# Altium PCB LimeSDR_Mini_1v0_Rounded.PcbDoc (part 4 of 5) (continued)
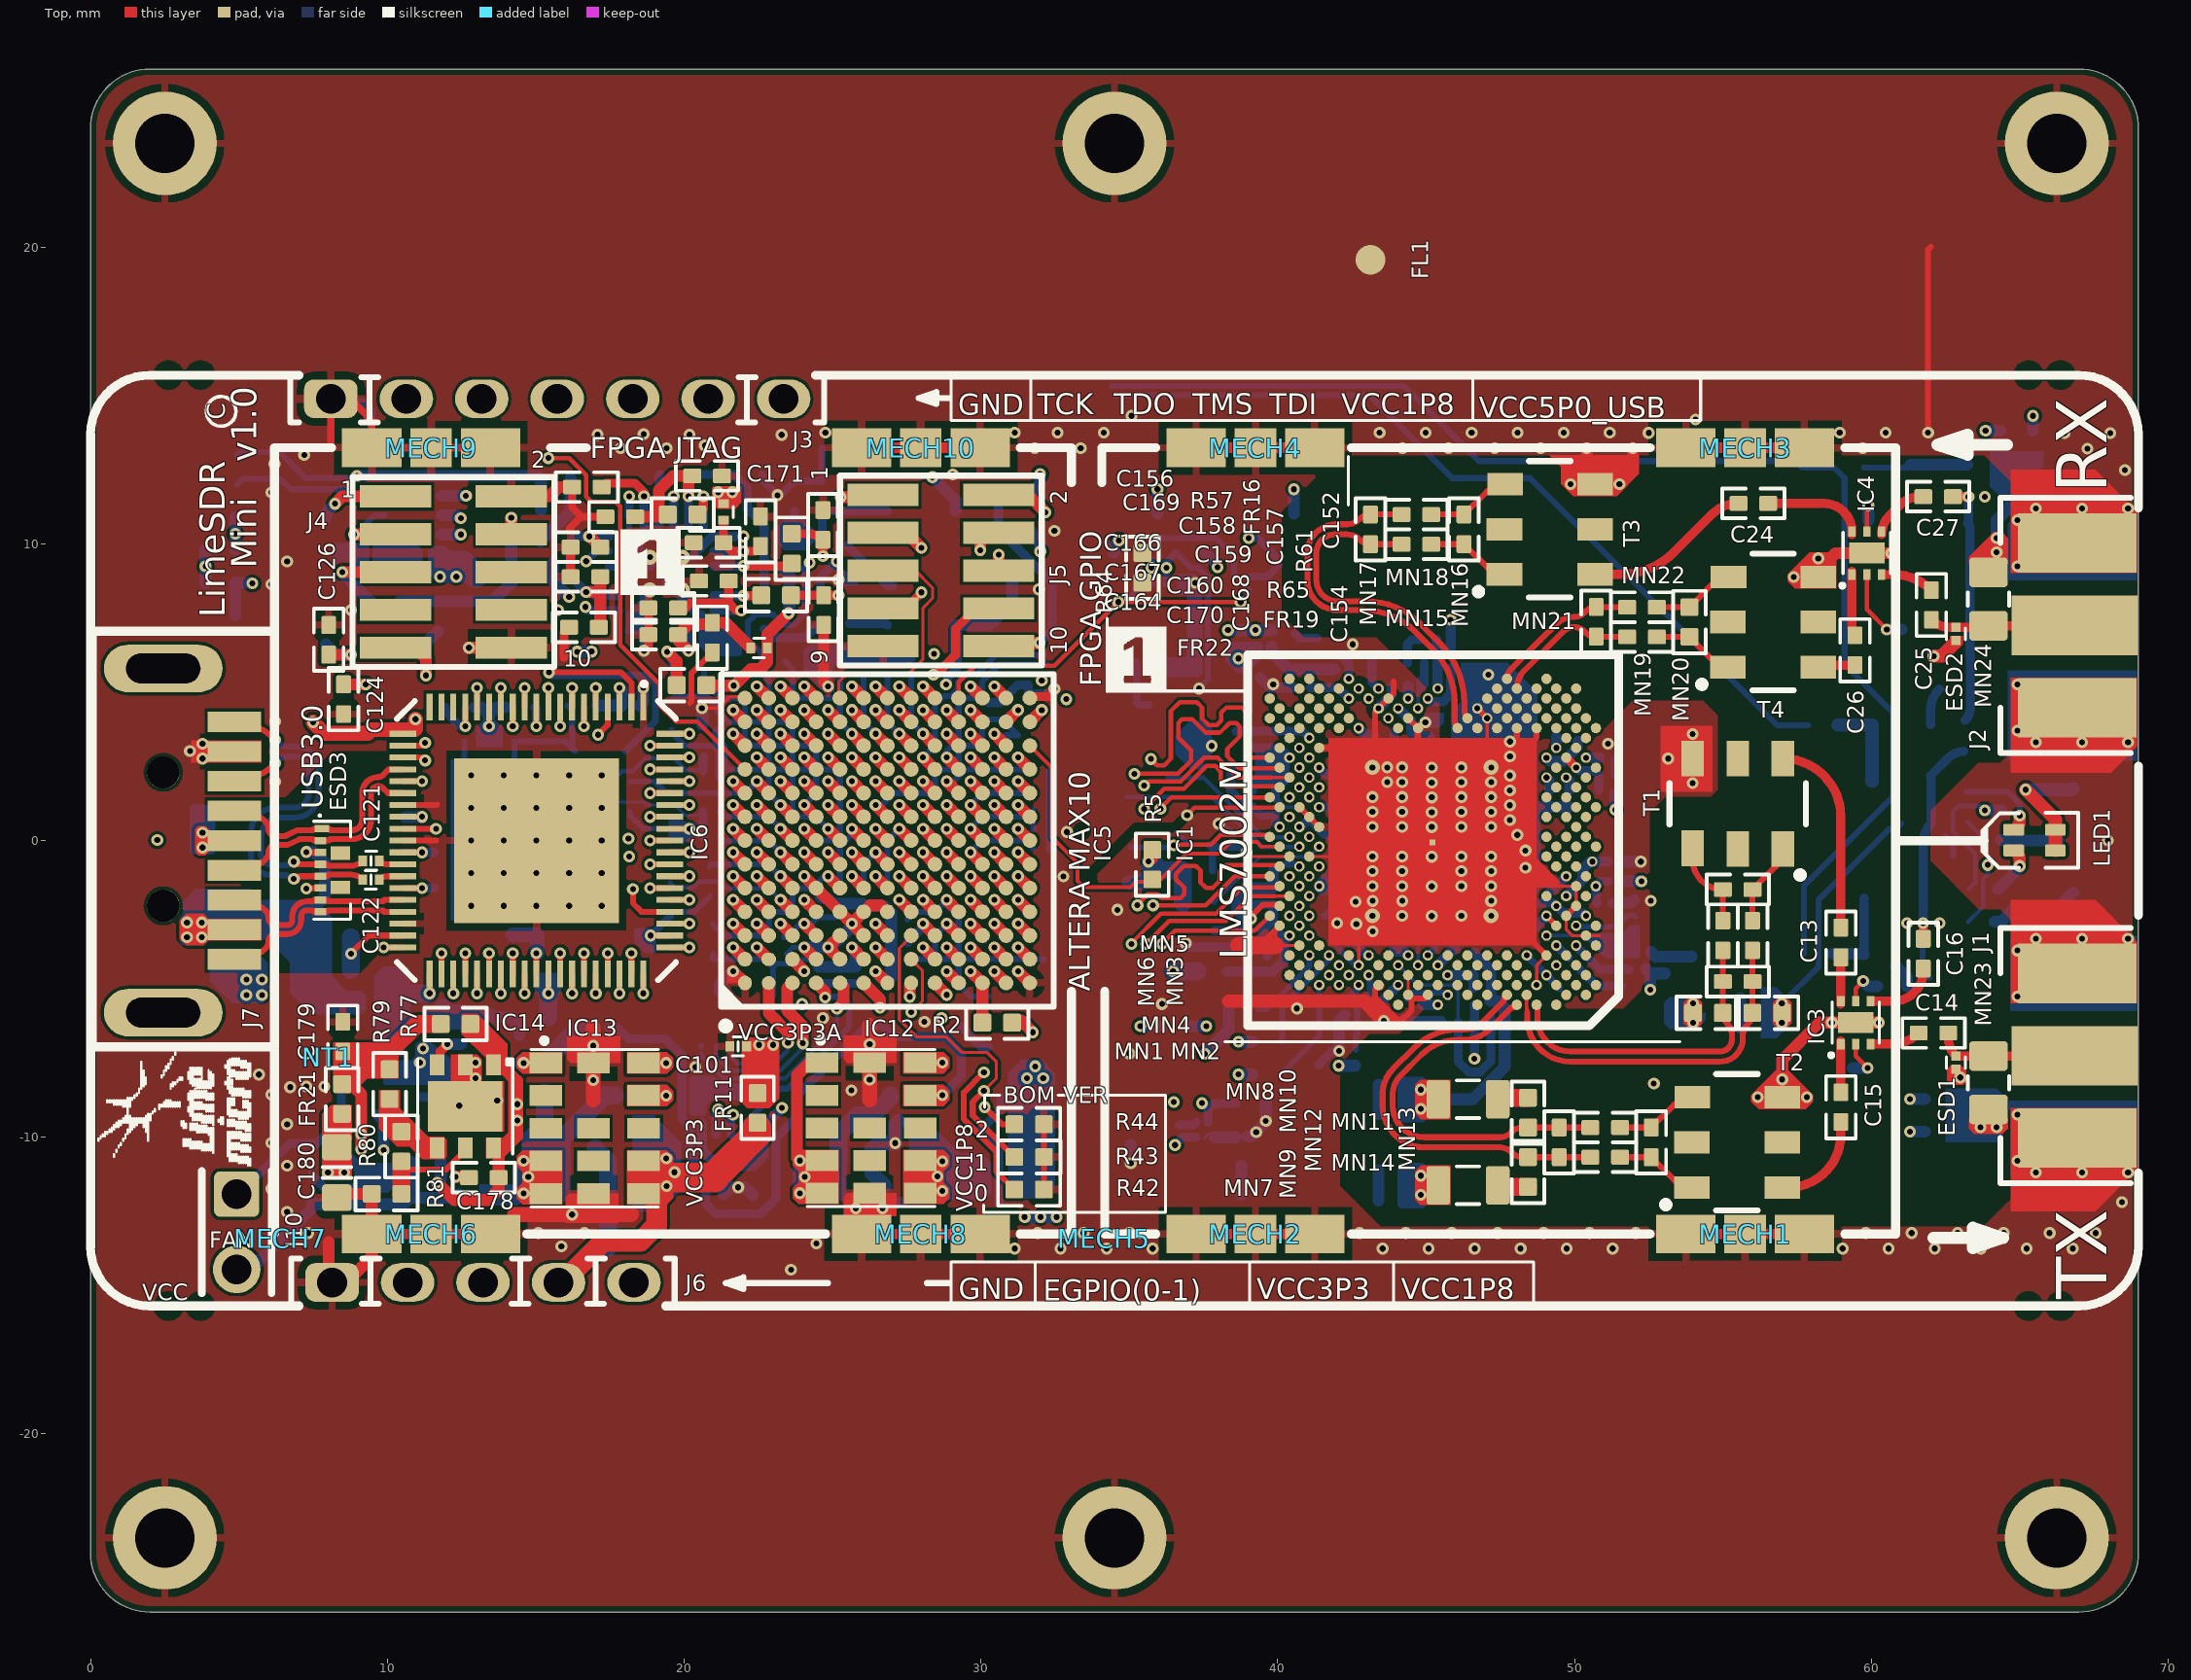
[diagram p0: Top view]
## Nets (pads, with @x,y where several pads share a name; then routed paths per layer and width w, separated by ;. In a path a pad name is that pad's centre, name@x,y a point inside that pad or via, vN(x,y) a via of type N, cw(c..) or ccw(c..) an arc to the next point about the centre after c; other vN are vias at no path point) (continued)
TXPLL_CLK: C152.2 IC1.E5 R61.1 | length 35.1
  Top w0.309: R61.1@23.625,10.34 24.192,10.34 cw(c24.192,9.657) C152.2@24.675,10.14 v1(24.675,9.59)
  L5 w0.1: v1(24.675,9.59) 24.675,8.29 ccw(c25.2,8.29) 25.2,7.765 25.789,7.765 cw(c25.789,6.93) 26.379,7.521 ccw(c27.238,8.379) 26.501,7.414 ccw(c27.238,8.379) 27.238,7.165 32.451,7.165 cw(c32.451,6.141) 33.175,6.865 33.231,6.809 ccw(c35.027,8.605) 35.027,6.065 36.148,6.065 cw(c36.148,3.525) 37.944,5.321 38.531,4.734 ccw(c40.327,6.53) 40.327,3.99 41.15,3.99 cw(c41.15,2.715) 42.425,2.715 42.425,0.84 ccw(c43.3,0.84) 43.3,-0.035 47.325,-0.035 cw(c47.325,-0.685) 47.975,-0.685 47.975,-1.96 ccw(c49.974,-1.96) 48.56,-3.373 v3(49.389,-4.202)
USB_D_N: ESD3.2 IC6.25 J7.2 | length 7.6
  Top w0.2: J7.2@4.85,-1 5.022,-1 ccw(c5.022,0.238) 5.897,-0.638 ccw(c5.65,-0.39) 6,-0.39 cw(c6.24,-0.39) 6.24,-0.15 6.625,-0.15 7.05,0.05 7.48,0.05 7.53,0 ESD3.2@7.742,0 ; ESD3.2@7.818,0 8.03,0 8.08,0.05 8.805,0.05 ccw(c8.805,0.695) 9.45,0.695 9.45,1.59 cw(c9.695,1.59) 9.695,1.835 ; 9.7,1.835 cw(c9.7,1.618) 9.853,1.772 10.025,1.6 IC6.25@10.525,1.6
USB_D_P: ESD3.1 IC6.23 J7.3 | length 8.2
  Top w0.2: J7.3@4.65,0.965 4.685,1 J7.3@4.85,1 J7.3@5.022,1 ; J7.3@5.39,1 J7.3@5.022,1 ; ESD3.1@7.742,0.4 7.53,0.4 7.48,0.35 6.975,0.35 6.55,0.15 6.24,0.15 cw(c6.24,0.39) 6,0.39 ccw(c5.65,0.39) 5.897,0.638 ccw(c5.022,-0.238) J7.3@5.022,1 ; ESD3.1@7.818,0.4 8.03,0.4 8.08,0.35 8.805,0.35 ccw(c8.805,0.695) 9.15,0.695 9.15,1.59 cw(c9.7,1.59) 9.7,2.14 ccw(c9.7,2.357) 9.853,2.203 10.05,2.4 IC6.23@10.525,2.4
USB_GND: C125.2 ESD3.6 FR13.1 NT1.1 | length 0.5
  Top w0.2: v1(7.275,-1.615) cw(c7.311,-1.651) 7.311,-1.6 ESD3.6@7.742,-1.6
  other v1: 2.25,0.015
USB_SSRX_N: ESD3.7 IC6.34 J7.8 | length 7.2
  Top w0.2: J7.8@5.39,-2 J7.8@4.85,-2 5.022,-2 cw(c5.022,-3.238) 5.897,-2.362 cw(c5.65,-2.61) 6,-2.61 ccw(c6.24,-2.61) 6.24,-2.85 6.625,-2.85 ccw(c6.625,-2.675) 6.8,-2.675 6.8,-2.535 cw(c7.285,-2.535) 7.285,-2.05 7.48,-2.05 7.53,-2 ESD3.7@7.742,-2 7.955,-2 8.005,-2.05 9.85,-2.05 9.9,-2 IC6.34@10.525,-2
USB_SSRX_P: ESD3.8 IC6.35 J7.9 | length 6.7
  Top w0.2: J7.9@4.2,-4 J7.9@4.372,-4 ; J7.9@5.022,-4 ccw(c5.022,-2.762) 5.897,-3.638 ccw(c5.65,-3.39) 6,-3.39 cw(c6.24,-3.39) 6.24,-3.15 6.625,-3.15 ccw(c6.625,-2.675) 7.1,-2.675 7.1,-2.535 cw(c7.285,-2.535) 7.285,-2.35 7.48,-2.35 7.53,-2.4 ESD3.8@7.742,-2.4 7.955,-2.4 8.005,-2.35 9.85,-2.35 9.9,-2.4 IC6.35@10.525,-2.4
USB_SSTX_N: C121.1 ESD3.4 J7.5 | length 11.5
  Top w0.2: J7.5@4.85,4 cw(c4.85,2.153) 6.156,3.459 v1(6.225,3.39) ; v1(6.85,-0.71) ccw(c7.067,-0.493) 7.067,-0.8 ESD3.4@7.742,-0.8 7.955,-0.8 8.005,-0.85 8.772,-0.85 ccw(c8.772,-0.287) C121.1@9.17,-0.685 C121.1@9.153,-0.685
  Bottom w0.2: v1(6.225,3.39) 6.335,3.28 ccw(c6.6,3.544) 6.6,3.17 6.935,3.17 cw(c6.935,2.415) 7.69,2.415 7.69,1.59 cw(c6.875,1.59) 6.875,0.775 6.385,0.775 ccw(c6.385,0.14) 5.75,0.14 5.75,-0.48 ccw(c6.1,-0.48) 6.1,-0.83 6.56,-0.83 ccw(c6.56,-0.42) v1(6.85,-0.71)
USB_SSTX_P: C122.1 ESD3.5 J7.6 | length 11.5
  Top w0.2: J7.6@4.85,2 ccw(c4.85,3.847) 6.156,2.541 v1(6.225,2.61) ; v1(6.85,-1.29) cw(c7.067,-1.507) 7.067,-1.2 ESD3.5@7.742,-1.2 7.955,-1.2 8.005,-1.15 8.772,-1.15 cw(c8.772,-1.713) C122.1@9.17,-1.315 C122.1@9.153,-1.315
  Bottom w0.2: v1(6.225,2.61) 6.335,2.72 cw(c6.6,2.456) 6.6,2.83 6.935,2.83 cw(c6.935,2.415) 7.35,2.415 7.35,1.59 cw(c6.875,1.59) 6.875,1.115 6.244,1.115 ccw(c6.244,0.281) 5.41,0.281 5.41,-0.48 ccw(c6.1,-0.48) 6.1,-1.17 6.56,-1.17 cw(c6.56,-1.58) v1(6.85,-1.29)
USB_SSTXI_N: C121.2 IC6.31 | length 0.8
  Top w0.2: C121.2@9.73,-0.685 ccw(c10.008,-0.407) 10.008,-0.8 IC6.31@10.525,-0.8
USB_SSTXI_P: C122.2 IC6.32 | length 0.8
  Top w0.2: C122.2@9.73,-1.315 cw(c10.008,-1.593) 10.008,-1.2 IC6.32@10.525,-1.2
USB_VBUS: C123.1 ESD3.3 FR12.1 J7.1 R50.2 | length 3.3
  Top w0.2: v1(7.275,-0.385) ccw(c7.311,-0.349) 7.311,-0.4 ESD3.3@7.742,-0.4
  Bottom w0.4: 7.238,-2.548 7.9,-1.885 7.9,-0.76 7.525,-0.385 v1(7.275,-0.385)
  other v1: 3.25,-3.26 3.75,-3.26 3.25,-2.76 3.75,-2.76
VCC1P8: C108.2 C109.1 C110.1 C111.1 C173.2 C174.1 C181.2 FR16.1 FR20.1 IC5.F2 IC5.G3 IC11.8 IC12.7 IC12.8 J3.6 J4.4 J6.5 R34.2 R36.2 R37.1 R58.2 | length 114.3
  Top w0.4: J4.4@14.175,10.325 v1(14.175,10.88) ; v1(25.65,-3.6) IC5.F2@26.05,-4 ; v1(26.45,-2.8) IC5.G3@26.85,-3.2
  L4 w0.4: J6.5@18.311,-15.01 24.2,-15.01 25.725,-13.485 27.101,-13.485 v1@28.701,-11.885
  L5 w0.25: v1@25.84,-3.6 26.45,-2.99 v1(26.45,-2.8)
  L5 w0.4: v1(21.15,11.74) v1(21.625,11.74) 23.05,13.165 29.275,13.165 30.675,11.765 32.875,11.765 33.725,10.915 36.275,10.915 v1(37.975,9.215) ; v1@25.775,-3.725 v1(25.65,-3.6) v1@25.84,-3.6
  L5 w0.5: v1(14.175,10.88) 13.06,9.765 11.3,9.765 10.525,8.99 10.525,6.44 9.875,5.79 9.875,-2.785 9.325,-3.335 9.325,-3.828 9.875,-4.378 9.875,-5.563 10.5,-6.188 10.5,-7.705 10.83,-8.035 11.647,-8.035 12.847,-6.835 15,-6.835 15.634,-7.469 17.672,-7.469 18.481,-6.66 20.95,-6.66 23.26,-8.97 26.89,-8.97 27.225,-8.635
  L5 w0.6: v1@25.675,-3.635 25.825,-3.785 25.825,-6.335 25.65,-6.51 25.65,-7.185 25.925,-7.46 26.75,-7.46 27.225,-7.935 27.225,-8.635
  L5 w1.2: 27.425,-8.81 28.539,-9.924 v1@28.539,-11.51
  L6 w0.5: v1(14.175,10.88) 14.665,10.88 16.46,12.675 20.94,12.675 ; J3.6@20.811,14.89 21.25,14.451 21.25,12.985 20.94,12.675 ; 21.4,11.815 21.3,11.915 21.3,12.315 21,12.615 20.94,12.675
  Bottom w0.17: 22.995,-4.255 23.1,-4.15 23.702,-4.15 23.837,-4.015 24.285,-4.015 C110.1@24.525,-4.255
  Bottom w0.2: R37.1@20.975,-3.835 20.975,-4 22.74,-4 22.995,-4.255 C108.2@22.995,-5.235
  Bottom w0.35: IC11.8@20.6,-9.535 20.6,-10.435 21.125,-10.96 C174.1@22.325,-10.96 22.675,-10.61 22.675,-9.635 v1(23.3,-9.01)
  Bottom w0.4: R34.2@10.425,8.065 13.55,8.065 14.175,8.69 v1(14.175,10.88) ; C110.1@24.544,-4.255 C109.1@25.2,-4.255 25.775,-4.255 25.775,-3.725 v1(25.65,-3.6) ; R58.2@37.575,9.69 v1@37.9,9.365
  other v1: 28.701,-11.81 28.539,-11.32 28.701,-10.81
VCC1P8_LMS: C3.1 C4.2 C5.1 C6.2 C7.1 C8.1 C9.2 C10.2 C175.2 FR1.2 FR2.1 FR3.1 FR4.2 FR5.2 FR6.2 FR7.2 FR8.2 FR20.2 MN1.2 MN2.2 MN7.2 MN8.2 R19.2 R26.2 R32.2 R33.1 | length 21.2
  Bottom w0.2: v1(56.985,-5.485) 58.225,-4.245 58.225,-1.985 60.588,0.378 60.812,0.378 R19.2@61.012,0.577
  Bottom w0.35: FR4.2@45.826,6.391 v1(45.826,7.441) ; FR6.2@46.614,-3.785 47.185,-4.356 FR7.2@47.185,-4.51 FR8.2@47.185,-5.405
  Bottom w0.4: v1(38.325,7.091) R33.1@39.801,7.091 ; v1(42.056,-7.589) R26.2@42.606,-7.589 ; 45.142,-8.718 46.567,-8.718 47.65,-7.635 47.65,-5.635 47.42,-5.405 FR8.2@47.175,-5.405 ; v1(51.38,1.04) FR3.1@51.38,1.59 ; FR2.1@51.704,-1.376 v1(52.254,-1.376) ; FR1.2@52.411,-4.334 FR1.2@52.555,-4.478 ; v1(52.555,-5.028) FR1.2@52.555,-4.478 ; R32.2@53.046,-4.478 FR1.2@52.555,-4.478 ; C4.2@53.325,-5.81 53.875,-5.81
  other v1: 44.817,-11.943 44.817,-11.293 44.817,-9.043 44.817,-8.393 31.55,-8.01 32.1,-8.01 31.825,-7.61 54,-6.135 56.985,-6.135 54,-5.485 39.251,7.091
VCC3P3: C102.2 C103.1 C104.1 C105.1 C106.1 C107.1 C112.2 C113.1 C114.1 C115.1 C116.1 C117.1 C118.1 C119.1 C120.1 C128.2 C129.2 C130.1 C131.2 C132.1 C133.2 C134.1 C135.2 C136.1 C150.1 C162.1 C178.2 C182.2 FR11.1 FR22.1 IC5.C6 IC5.C7 IC5.C8 IC5.F7 IC5.F11 IC5.G6 IC5.G8 IC5.G11 IC5.H7 IC5.H11 IC5.J11 IC6.14 IC6.20 IC6.24 IC6.28 IC6.38 IC6.49 IC6.59 IC6.68 IC8.8 IC10.A1 IC13.7 IC13.8 IC14.1 IC14.6 J6.4 LED1.1 LED1.2 LED2.A R14.1 R20.1 R35.1 R40.1 R45.1 R46.1 R47.1 R48.1 R49.1 R53.2 R54.2 R55.2 R64.1 R66.1 R71.1 R77.1 | length 150.4
  Top w0.2: v1(9.875,-3.6) IC6.38@10.525,-3.6 ; IC6.28@10.525,0.4 v1(11.64,0.4) ; IC6.24@10.525,2 v1(11.175,2) ; v1(13.425,3.85) IC6.14@13.425,4.5 ; v1(15.425,-5.15) IC6.49@15.425,-4.5 ; v1(18.875,-3.2) IC6.59@19.525,-3.2 ; IC6.68@19.525,0.4 v1(20.175,0.4)
  Top w0.4: v1(11.675,-11.535) 12.25,-12.11 13.4,-12.11 13.75,-11.76 13.75,-10.21 13.975,-10.21 14.375,-9.81 v1(14.375,-9.435) v1(14.375,-8.885) 14.375,-8.101 ; v1(19.425,6.365) 19.75,6.04 FR22.1@19.75,5.24 ; v1(23.25,-0.4) IC5.C6@23.65,-0.8 ; v1(23.25,0.4) IC5.C7@23.65,0 ; v1(23.25,1.2) IC5.C8@23.65,0.8 ; v1(25.65,0.4) IC5.F7@26.05,0 ; v1(25.65,3.6) IC5.F11@26.05,3.2 ; v1(26.45,-0.4) IC5.G6@26.85,-0.8 ; v1(26.45,1.2) IC5.G8@26.85,0.8 ; v1(26.45,3.6) IC5.G11@26.85,3.2 ; v1(27.25,0.4) IC5.H7@27.65,0 ; v1(27.25,3.6) IC5.H11@27.65,3.2 ; v1(28.05,3.6) IC5.J11@28.45,3.2
  Top w0.45: v1(65.2,1.715) 66.2,0.715 LED1.1@66.2,-0.335
  Top w0.5: v1(7.5,3.99) 7.875,3.615 9.35,3.615 9.475,3.74 10.937,3.74 10.95,3.753 v1(10.95,4.09)
  Top w0.7: J6.4@15.768,-14.89 15.894,-14.89 17.274,-13.51 18.525,-13.51 19.075,-12.96 IC13.7@19.075,-11.86 ; 21.025,-11.21 21.175,-11.36
  Top w1: 19.228,-11.355 21.025,-11.355 ; 21.18,-11.155 22.45,-9.885 FR11.1@22.45,-9.71
  L4 w0.45: v1(34.65,10.115) 34.725,10.19 v1(39.025,10.19) 40.025,11.19 57.975,11.19 58.925,12.14 61.4,12.14 61.975,11.565 ; v1(61.3,-8.71) 61.3,-5.435 65.525,-1.21 65.525,1.39 v1(65.2,1.715) 65.2,1.74 61.475,5.465 61.475,9.84 61.975,10.34 61.975,11.565 ; v1(63.85,13.815) 63.85,13.44 61.975,11.565
  L4 w0.5: v1@3.9,9.24 7.5,5.64 v1(7.5,3.99)
  Bottom w0.19: R45.1@18.175,0.965 18.175,0.84 18.61,0.405 20.17,0.405 v1(20.175,0.4) ; C116.1@21.205,0.115 21.325,-0.005 22.855,-0.005 v1(23.25,-0.4)
  Bottom w0.2: R48.1@19.525,-2.51 19.525,-2.4 20.341,-2.4 20.875,-1.866 R49.1@20.875,-1.86 ; R47.1@19.575,3.74 19.575,3.634 20.009,3.2 21.087,3.2 21.15,3.263 ; C120.1@21.205,0.965 21.37,0.8 22.85,0.8 v1(23.25,0.4) ; 21.28,2.465 21.345,2.4 22.616,2.4 22.85,2.166 22.85,1.6 v1(23.25,1.2) ; C102.2@23.4,6.04 23.65,5.79 23.65,5.034 23.884,4.8 25.231,4.8 25.25,4.781 ; C113.1@25.25,-1.605 25.25,-0.21 25.65,0.19 v1(25.65,0.4) ; C117.1@25.27,5.581 25.25,5.561 25.25,4.781 ; v1(25.65,3.6) 25.25,4 25.25,4.781 ; C115.1@26.025,-1.605 26.05,-1.58 26.05,-0.8 v1(26.45,-0.4) ; C118.1@26.04,5.581 26.05,5.571 26.05,4 v1(26.45,3.6) ; v1(26.45,1.2) 26.684,1.2 27.084,1.6 28.216,1.6 28.45,1.834 28.45,2.166 28.684,2.4 29.016,2.4 29.25,2.634 29.25,2.966 29.484,3.2 29.816,3.2 30.05,3.434 30.05,3.86 C103.1@30.275,4.085 30.715,4.085 C112.2@31.25,3.55 30.85,3.55 C112.2@30.85,3.2 ; C119.1@26.75,-1.63 26.85,-1.53 26.85,0 v1(27.25,0.4) ; C114.1@26.86,5.581 26.85,5.571 26.85,4 v1(27.25,3.6) ; C107.1@27.65,5.585 27.65,4 v1(28.05,3.6)
  Bottom w0.25: v1(18.875,-3.2) 19.525,-2.55 R48.1@19.525,-2.51 ; IC8.8@35.25,6.015 IC8.8@35.25,5.84 35.25,4.65 35.325,4.575 C162.1@35.65,4.575 ; IC10.A1@39.025,8.89 39.65,8.89 C150.1@40.05,9.29 ; v1(39.025,10.19) 39.325,10.19 39.95,9.565 C150.1@39.95,9.365
  Bottom w0.4: R55.2@3.875,8.69 v1(3.875,9.24) R35.1@3.875,9.79 ; v1(11.675,-11.535) 11.8,-11.41 R71.1@11.8,-10.835 ; R54.2@12.95,4.49 13.175,4.49 13.425,4.24 ; v1(13.425,3.85) 13.425,4.24 ; R53.2@13.975,4.49 13.675,4.49 13.425,4.24 ; v1(19.425,6.365) 19.675,6.115 R46.1@19.675,5.79 ; C106.1@21.15,3.65 21.15,3.263 21.28,3.133 21.28,2.465 ; R40.1@31.6,10.49 32,10.09 v1(32,9.74) ; R66.1@34.475,9.69 34.475,9.94 v1(34.65,10.115) ; v1(61.3,-8.71) R14.1@61.8,-8.71 ; v1(63.85,13.815) R20.1@64.35,13.815
  Bottom w0.45: v1(65.2,1.715) 66.765,1.715 66.8,1.75
  Bottom w0.6: C128.2@15.425,-5.96 v1(15.425,-5.15)
  other v1: 19.415,-11.645 19.678,-11.18 19.4,-10.71
VCC3P3_CLK: C184.2 FR17.1 FR19.1 FR22.2 R60.2 | length 19.4
  Top w0.4: FR22.2@20.75,5.24 20.77,5.22 v1(21.67,5.22) 21.692,5.22 22.255,5.783 22.574,5.783 22.805,6.014 FR19.1@22.805,6.49 22.805,6.945 v1(23.525,7.665)
  L3 w0.6: v1(16.4,6.365) 16.801,6.365 17.416,5.75 19.115,5.75 19.645,5.22 v1@21.575,5.22
  L5 w0.6: v1(11.775,8.89) 13.15,8.89 15.675,6.365 v1@16.775,6.365
  Bottom w0.4: v1@16.4,6.37 v1(16.88,6.37) ; R60.2@23.375,9.09 23.55,8.915 23.55,7.69 v1(23.525,7.665)
  Bottom w0.8: 11.775,9.365 12.55,9.365 C184.2@13,8.915
  other v1: 12.325,8.89
VCC3P3A: C95.2 C96.1 C97.1 C98.1 C99.1 C100.1 C101.1 FR11.2 IC5.D3 IC5.D4 IC5.D10 IC5.K4 IC5.K9 | length 40.4
  Top w0.4: v1(24.05,-2.8) IC5.D3@24.45,-3.2 ; v1(24.05,-2) IC5.D4@24.45,-2.4 ; v1(24.05,2.8) IC5.D10@24.45,2.4 ; v1(28.85,-2) IC5.K4@29.25,-2.4 ; v1(28.85,2) IC5.K9@29.25,1.6
  L3 w0.2: v1@23.938,-2.922 24.962,-2.922 25.484,-2.4 28.45,-2.4 v1(28.85,-2) 29.25,-1.6 29.25,1.6 v1(28.85,2) ; v1(24.05,-2) 24.45,-1.6 24.45,2.4 v1(24.05,2.8)
  L3 w0.4: v1(22.525,-6.885) 22.525,-5.36 23.5,-4.385 23.5,-3.36 23.938,-2.922 24.05,-2.81 v1(24.05,-2.8) v1(24.05,-2)
  L6 w0.4: v1(22.525,-6.885) 22.525,-5.21 23.225,-4.51 23.225,-3.625 v1(24.05,-2.8)
  Bottom w0.2: C99.1@23.361,-3.255 C99.1@23.45,-3.255 23.905,-2.8 v1(24.05,-2.8) 24.29,-2.8 C98.1@24.525,-2.565 ; v1(24.05,-2) 24.525,-2.475 C98.1@24.525,-2.565 ; C98.1@24.6,-2.49 C98.1@24.525,-2.565 ; C97.1@25.15,-2.58 24.525,-2.58 C98.1@24.525,-2.565 ; C96.1@27.53,-2.66 27.79,-2.4 28.45,-2.4 v1(28.85,-2) 28.85,-2.19 29.25,-2.59 29.25,-3.766 29.484,-4 32.115,-4 C95.2@32.125,-4.01 ; v1(28.85,2) 29.085,2 29.25,2.165 ; 29.25,2.166 29.484,2.4 31.77,2.4 C100.1@31.77,2.315
  other v1: 23,-6.885
VCC5P0_USB: C176.2 C177.2 FR12.2 IC12.1 IC12.4 IC12.5 IC13.4 IC13.5 J3.7 R15.1 R21.1 R41.1 R69.1 R76.2 R78.2 R84.1 | length 151.2
  Top w0.4: v1(23.899,-10.785) 23.8,-10.686 23.8,-7.91 24.225,-7.485 IC12.1@24.65,-7.485
  L3 w0.6: 5.375,-4.985 5.375,6.19 3.075,8.49 3.075,9.79 3.575,10.29 3.575,10.99 6.175,13.59 15.825,13.59 16.825,12.59 21.154,12.59 J3.7@23.354,14.79
  L4 w0.6: J3.7@23.354,14.89 24.469,14.89 25.694,13.665 30.275,13.665 31.584,12.356 v1(31.994,12.356) 33.891,12.356 34.625,13.09 36.25,13.09 36.8,13.64 42.697,13.64 43.712,12.625 56.96,12.625 59.1,14.765 65,14.765 v1(65.45,14.315) 65.45,12.315 62.8,9.665 62.8,6.165 64.425,4.54 65.35,4.54 66.4,3.49 66.4,-3.435 65.35,-4.485 64.2,-4.485 62.35,-6.335 62.35,-9.085 61.628,-9.807 v1(61.3,-9.807)
  L4 w1.7: 5.8,-4.935 6.175,-4.935 11.425,-10.185 13.125,-10.185 14.275,-11.335 v1(14.75,-11.335) 16.725,-11.335 18.225,-12.835 22.8,-12.835 23.875,-11.76 v1@23.875,-11.285
  Bottom w0.4: R41.1@31.594,11.606 31.994,12.006 v1(31.994,12.356) ; v1(61.3,-9.807) R15.1@61.8,-9.807 ; R21.1@65.45,13.815 v1(65.45,14.315)
  Bottom w0.6: R84.1@15.3,-8.485 15.3,-9.48 15.875,-10.055 ; 15.875,-10.935 15.875,-10.055 ; R78.2@17.664,-8.595 17.335,-8.595 15.875,-10.055 ; 25.2,-10.835 25.2,-9.91 25.85,-9.26 26.351,-9.26 26.95,-8.661 R76.2@26.95,-8.585
  other v1: 14.588,-11.895 23.899,-11.885 24.064,-11.335 14.588,-10.795 5.25,-5.21 5.775,-5.21 5.25,-4.685 5.775,-4.685
VD10_FT: C137.2 C138.2 C139.1 C140.1 C141.1 C142.1 C143.1 C144.1 FR14.1 IC6.3 IC6.30 IC6.33 IC6.39 IC6.48 | length 28.9
  Top w0.2: IC6.33@10.525,-1.6 v1(11.175,-1.6) ; IC6.30@10.525,-0.4 v1(11.175,-0.4) ; v1(11.425,-5.15) IC6.39@11.425,-4.5 ; IC6.48@15.025,-4.5 v1@15.025,-3.85 ; IC6.3@17.825,4.5 v1(17.825,5.15)
  L5 w0.5: v1@15,-3.8 14.775,-4.025 14.775,-4.028 14.453,-4.35 12.225,-4.35 v1(11.425,-5.15) 11.425,-4.91 11.175,-4.66 v1(11.175,-0.4) 11.415,-0.16 11.975,-0.16 12.225,0.09 12.225,2.449 12.791,3.015 17.328,3.015 17.825,3.512 v1(17.825,5.15)
  Bottom w0.3: v1(11.175,-1.6) C143.1@11.585,-1.6 ; v1(11.175,-0.4) C141.1@11.585,-0.4
  Bottom w0.4: C142.1@17.075,4.55 C139.1@17.87,4.55 ; v1(17.825,5.15) 17.895,5.08 C139.1@17.895,4.55
  Bottom w0.5: C138.2@14.225,-3.175 C140.1@15.05,-3.175 v1@15.05,-3.775
  Bottom w0.6: C137.2@10.4,-5.15 v1@11.35,-5.15 ; C144.1@10.475,-5.91 C137.2@10.475,-5.15
  other v1: 15.025,-3.8
VDIO_LMS: C2.1 C180.2 FR21.2 IC2.A1 R1.2 R2.2 R3.1 R4.1 R5.2 R12.1 R13.1 R27.1 R28.1 R29.1 R30.1 R31.1 | length 45.3
  Top w0.4: R2.2@31.05,-6.06 31.35,-6.06 v1(31.75,-6.46) ; v1(35.65,-0.707) 35.775,-0.582 R5.2@35.775,-0.31
  L6 w0.7: 11.451,-12.575 15.235,-12.575
  L6 w0.8: v1@8.175,-11.185 10.111,-11.185 11.451,-12.525 ; 15.235,-12.525 15.875,-11.885 17.4,-11.885 18.275,-12.76 24.8,-12.76 25.175,-13.135 30.35,-13.135 31,-12.485 33.615,-12.485 34.95,-11.15 36.975,-11.15 38.125,-10 39.025,-10 v1@39.588,-9.437
  Bottom w0.4: v1(31.475,-12.685) v1(32.013,-12.685) v1(32.55,-12.685) ; v1(35.05,-10.875) R12.1@35.05,-10.26 ; R28.1@37.322,2.59 37.322,2.737 v1(37.775,3.19) 37.326,3.639 R27.1@37.326,3.686 ; 37.881,-10 C2.1@38.56,-10 ; C2.1@38.965,-9.975 39.1,-9.975 39.6,-9.475 R13.1@39.6,-8.86
  Bottom w0.5: R4.1@35,-1.425 35.382,-1.425 35.8,-1.007
  Bottom w0.6: 35.8,-1.007 36.801,-1.007 36.801,-1.014 R3.1@36.8,-2.11 ; v1(36.475,-4.407) R30.1@37.3,-4.407 ; 41.627,-1.538 R31.1@42.001,-1.164
  other v1: 8,-11.185 8.55,-11.185 39.275,-9.825 39.6,-9.45
  other v3: 41.401,-1.539
VDIO_LMS_FPGA: C88.2 C89.1 C90.1 C91.1 C92.1 C93.1 C94.1 C179.2 FR18.1 FR21.1 IC5.J3 IC5.K3 IC5.L6 IC5.L7 IC5.L8 R77.2 R79.2 | length 87.4
  Top w0.4: FR21.1@8.725,-8.16 9.118,-8.553 v1(9.118,-9.903) v1(9.118,-10.41) ; v1(28.05,-2.8) IC5.J3@28.45,-3.2 ; v1(28.85,-2.8) IC5.K3@29.25,-3.2 ; v1(29.65,-0.4) IC5.L6@30.05,-0.8 ; v1(29.65,0.4) IC5.L7@30.05,0 ; v1(29.65,1.2) IC5.L8@30.05,0.8
  Top w0.6: 10.087,-7.098 11,-6.185 R77.2@11.8,-6.185
  L5 w0.2: v1(28.85,-2.8) 29.25,-2.4 29.25,-0.8 v1(29.65,-0.4)
  L5 w0.4: v1(9.118,-10.41) v1(9.118,-9.903) 8.275,-9.06 5.45,-9.06 4.75,-8.36 4.75,-5.235 4.4,-4.885 4.4,-1.635 8.25,2.215 8.25,7.947 9.3,8.997 9.3,9.646 11.769,12.115 14.143,12.115 15.675,10.583 15.675,8.665 v1(16.125,8.215)
  L6 w0.4: v1@29.645,-0.395 29.65,-0.39 v1(29.65,1.2)
  L6 w0.5: v1@9.1,-10.335 9.1,-9.921 v1(9.118,-9.903) 9.511,-9.51 11.614,-9.51 12.214,-10.11 19.1,-10.11 20.875,-8.335 23.35,-8.335 25.875,-5.81 25.875,-5.485 26.35,-5.01 26.725,-5.01 27.225,-4.51 27.225,-3.31 27.725,-2.81 v1@28.85,-2.81
  Bottom w0.2: C92.1@27.53,-4.135 27.53,-4 28.216,-4 28.45,-3.766 ; v1(28.85,-2.8) 28.45,-3.2 28.45,-3.766 ; v1(29.65,-0.4) 30.05,0 31.485,0 C91.1@31.77,-0.285 ; v1(29.65,0.4) 30.05,0.8 31.53,0.8 ; v1(29.65,1.2) 30.05,1.6 31.77,1.6 C94.1@31.77,1.665 ; C88.2@30.25,-5.26 29.65,-5.26 29.25,-4.86 29.25,-4.234 29.016,-4 28.684,-4 28.45,-3.766 ; C90.1@31.77,0.365 31.77,0.56 31.53,0.8 ; C89.1@31.77,1.04 31.53,0.8
  Bottom w0.3: C93.1@27.53,-3.435 28.05,-2.915 v1(28.05,-2.8)
  Bottom w0.4: 15.595,9.365 15.595,8.745 v1(16.125,8.215)
VDIO_LMS_LMK: C164.2 C165.2 C166.2 C167.2 FR18.2 IC7.14 IC7.18 | length 6
  Top w0.4: v1(16.7,8.375) 17.04,8.375 ; v1(16.8,10.25) 16.815,10.25 C166.2@17.175,9.89 ; C164.2@17.125,7.19 17.175,7.24 17.175,8.24 17.04,8.375 ; C167.2@17.175,8.89 17.175,8.51 17.04,8.375
  Bottom w0.3: v1(16.7,8.375) 16.155,8.92 16.155,9.365 16.155,10.07 16.335,10.25 v1(16.8,10.25) IC7.18@17.475,10.25
pads on no net: C1.0 C2.0 C3.0 C4.0 C5.0 C6.0 C7.0 C8.0 C9.0 C10.0 C11.0 C12.0 C13.0 C14.0 C15.0 C16.0 C17.0 C18.0 C19.0 C20.0 C21.0 C22.0 C23.0 C24.0 C25.0 C26.0 C27.0 C28.0 C29.0 C87.0 C88.0 C95.0 C102.0 C108.0 C112.0 C123.0 C124.0 C125.0 C126.0 C127.0 C128.0 C137.0 C140.0 C142.0 C144.0 C145.0 C147.0 C148.0 C149.0 C150.0 C151.0 C152.0 C153.0 C154.0 C155.0 C156.0 C157.0 C158.0 C159.0 C160.0 C161.0 C162.0 C163.0 C164.0 C165.0 C166.0 C167.0 C168.0 C169.0 C170.0 C171.0 C172.0 C173.0 C174.0 C175.0 C176.0 C177.0 C178.0 C179.0 C180.0 C181.0 C182.0 C183.0 C184.0 ESD3.9 ESD3.10 FL1.1 FR11.0 FR12.0 FR13.0 FR14.0 FR20.0 FR21.0 FR22.0 IC1.A5 IC1.A13 IC1.A21 IC1.AA1 IC1.AA3 IC1.AA5 IC1.AB2 IC1.AB4 IC1.AB6 IC1.AC3 IC1.AC5 IC1.AD2 IC1.AE1 IC1.AE5 IC1.AG3 IC1.AG33 IC1.AH2 IC1.AH4 IC1.AH32 IC1.AJ1 IC1.AJ3 IC1.AJ5 IC1.AJ11 IC1.AJ13 IC1.AJ21 IC1.AJ27 IC1.AJ29 IC1.AJ31 IC1.AJ33 IC1.AK2 IC1.AK4 IC1.AK6 IC1.AK8 IC1.AK10 IC1.AK26 IC1.AK28 IC1.AK30 IC1.AK32 IC1.AK34 IC1.AL3 IC1.AL5 IC1.AL7 IC1.AL9 IC1.AL11 IC1.AL27 IC1.AL29 IC1.AL31 IC1.AL33 IC1.AM4 IC1.AM6 IC1.AM8 IC1.AM10 IC1.AM12 IC1.AM28 IC1.AM30 IC1.AM34 IC1.AN3 IC1.AN5 IC1.AN7 IC1.AN11 IC1.AN27 IC1.AN29 IC1.AN31 IC1.AP6 IC1.AP30 IC1.AP32 IC1.B2 IC1.B4 IC1.B12 IC1.B14 IC1.B22 IC1.C1 IC1.C3 IC1.C5 IC1.C9 IC1.C11 IC1.C13 IC1.C15 IC1.C17 IC1.C19 IC1.C31 IC1.D2 IC1.D4 IC1.D8 IC1.D10 IC1.D12 IC1.D14 IC1.D18 IC1.D22 IC1.D30 IC1.D32 IC1.E3 IC1.E9 IC1.E11 IC1.E13 IC1.E15 IC1.E23 IC1.E29 IC1.E31 IC1.F2 IC1.F4 IC1.F10 IC1.F12 IC1.F14 IC1.F16 IC1.F22 IC1.F26 IC1.F32 IC1.G1 IC1.G29 IC1.J1 IC1.M2 IC1.M6 IC1.P2 IC1.R3 IC1.R5 IC1.T4 IC1.T6 IC1.U1 IC1.U3 IC1.U5 IC1.V2 IC1.V4 IC1.V6 IC1.W3 IC1.Y2 IC1.Y4 IC1.Y6 IC6.17 IC6.18 IC6.19 IC7.4 IC7.9 IC7.10 IC7.15 IC8.9 IC12.2 IC12.3 IC12.9 IC12.13 IC12.14 IC13.2 IC13.3 IC13.9 IC13.13 IC13.14 J4.6 J4.7 J4.8 J7.11 LED1.0 LED2.0 MN1.0 MN2.0 MN3.0 MN4.0 MN5.0 MN6.0 MN7.0 MN8.0 MN9.0 MN10.0 MN11.0 MN12.0 MN13.0 MN14.0 MN15.0 MN16.0 MN17.0 MN18.0 MN19.0 MN20.0 MN21.0 MN22.0 MN23.0 MN24.0 R1.0 R2.0 R3.0 R4.0 R5.0 R6.0 R7.0 R8.0 R9.0 R10.0 R11.0 R12.0 R13.0 R14.0 R15.0 R16.0 R17.0 R18.0 R19.0 R20.0 R21.0 R22.0 R23.0 R24.0 R25.0 R27.0 R28.0 R29.0 R30.0 R31.0 R34.0 R35.0 R36.0 R37.0 R38.0 R39.0 R40.0 R41.0 R42.0 R43.0 R44.0 R45.0 R46.0 R47.0 R48.0 R49.0 R50.0 R51.0 R52.0 R53.0 R54.0 R55.0 R56.0 R57.0 R58.0 R59.0 R60.0 R61.0 R62.0 R63.0 R64.0 R65.0 R66.0 R67.0 R68.0 R69.0 R70.0 R71.0 R72.0 R73.0 R74.0 R75.0 R76.0 R77.0 R78.0 R79.0 R80.0 R81.0 R82.0 R83.0 R84.0 R85.0 T1.NC T2.NC T3.NC T4.NC VT4.0 XO1.2 XO1.3 XO1.5 XO1.8 XO1.10 XT1.0

## Polygon pours and split planes (outlines as drawn)
VCC1P8_LMS on L5 "VCC1P8_LMS_L05_P029" (solid, remove dead copper, pour order 29): 31.65,-7.335 36.9,-7.335 37.275,-7.71 37.901,-7.71 38.276,-7.335 49.897,-7.335 51.175,-6.057 51.175,2.74 47.875,6.04 39.1,6.04 38.05,7.09 38.05,7.49 38.7,8.14 49.25,8.14 57.25,0.14 57.25,-6.185 55.875,-7.56 55.875,-9.435 52.425,-12.885 35.4,-12.885 31.275,-8.76 31.275,-7.71
GND on L5 "GND_L05_P037" (solid, remove dead copper, pour order 37): 0,-13.685 0,13.685 cw(c2,13.685) 2,15.685 67,15.685 cw(c67,13.685) 69,13.685 69,-13.685 cw(c67,-13.685) 67,-15.685 2,-15.685 cw(c2,-13.685)
VDIO_LMS on L3 "VDIO_LMS_L03_P031" (solid, remove dead copper, pour order 31): 31.05,-12.585 31.05,-9.96 32.625,-8.385 32.625,-7.635 31.525,-6.535 31.525,-2.435 37.475,3.515 38.4,3.515 41.925,-0.01 41.925,-3.635 35.9,-9.66 35.9,-10.26 33.2,-12.96 31.425,-12.96
VCC3P3 on L3 "VCC3P3_L03_P030" (solid, remove dead copper, pour order 30): 18.625,-11.885 19.756,-11.885 21.45,-10.191 21.45,-2.2 22.99,-0.66 26.65,-0.66 28.475,1.165 28.475,3.717 34.875,10.117 34.875,10.415 34.6,10.69 33.075,10.69 32.525,10.14 28.55,10.14 25.675,7.265 19.7,7.265 16.835,4.4 10.81,4.4 9.65,3.24 9.65,-4.385 11.55,-6.285 12.15,-6.285 14.075,-8.21 14.075,-9.441 15.044,-10.41 17.15,-10.41
GND on L3 "GND_L03_P035" (solid, remove dead copper, pour order 35): 0,-13.685 0,13.685 cw(c2,13.685) 2,15.685 67,15.685 cw(c67,13.685) 69,13.685 69,-13.685 cw(c67,-13.685) 67,-15.685 2,-15.685 cw(c2,-13.685)
USB_GND on L2 "USB_GND_L02_P032" (solid, remove dead copper, pour order 32): 10,-6.935 11.175,-5.76 11.175,-2.46 11.175,3.49 10.05,4.615 6.075,4.615 2.125,4.615 1.25,3.74 1.25,-5.185 3,-6.935
GND on L2 "GND_L02_P034" (solid, remove dead copper, pour order 34): 0,-13.685 0,13.685 cw(c2,13.685) 2,15.685 67,15.685 cw(c67,13.685) 69,13.685 69,-13.685 cw(c67,-13.685) 67,-15.685 2,-15.685 cw(c2,-13.685)
GND on Top "Top Layer-No Net" (solid, pour order 42): -0.127,-23.873 ccw(c1.873,-23.873) 1.873,-25.873 66.873,-25.873 ccw(c66.873,-23.873) 68.873,-23.873 68.873,24.127 ccw(c66.873,24.127) 66.873,26.127 1.873,26.127 ccw(c1.873,24.127) -0.127,24.127
GND on Top "GND_L01_P033" (solid, remove dead copper, pour order 33): 0,-13.685 0,13.685 cw(c2,13.685) 2,15.685 67,15.685 cw(c67,13.685) 69,13.685 69,-13.685 cw(c67,-13.685) 67,-15.685 2,-15.685 cw(c2,-13.685)
GND on L4 "GND_L04_P036" (solid, remove dead copper, pour order 36): 0,-13.685 0,13.685 cw(c2,13.685) 2,15.685 67,15.685 cw(c67,13.685) 69,13.685 69,-13.685 cw(c67,-13.685) 67,-15.685 2,-15.685 cw(c2,-13.685)
GND on L6 "GND_L06_P038" (solid, remove dead copper, pour order 38): 0,-13.685 0,13.685 cw(c2,13.685) 2,15.685 67,15.685 cw(c67,13.685) 69,13.685 69,-13.685 cw(c67,-13.685) 67,-15.685 2,-15.685 cw(c2,-13.685)
GND on L7 "GND_L07_P039" (solid, remove dead copper, pour order 39): 0,-13.685 0,13.685 cw(c2,13.685) 2,15.685 67,15.685 cw(c67,13.685) 69,13.685 69,-13.685 cw(c67,-13.685) 67,-15.685 2,-15.685 cw(c2,-13.685)
GND on Bottom "Top Layer-No Net" (solid, pour order 40): 0,-24 ccw(c2,-24) 2,-26 67,-26 ccw(c67,-24) 69,-24 69,24 ccw(c67,24) 67,26 2,26 ccw(c2,24) 0,24
GND on Bottom "GND_L08_P041" (solid, remove dead copper, pour order 41): 0,-13.685 0,13.685 cw(c2,13.685) 2,15.685 67,15.685 cw(c67,13.685) 69,13.685 69,-13.685 cw(c67,-13.685) 67,-15.685 2,-15.685 cw(c2,-13.685)
no net on Mechanical2 "Top Layer-No Net" (none): 0,-24
no net on Mechanical2 "Top Layer-No Net" (none): 0,-24
no net on Mechanical2 "Top Layer-No Net" (none): 0,-24